# Altium PCB Holberton.PcbDoc (part 3 of 6)
Units mil, origin at the board's own origin, x right, y up, seen from the top; angles counter-clockwise.
Board outline 2963.39 x 3031.46 mil, 6 copper layers (Top Layer, GND, SL1, SL2, PWR, Bottom Layer), stack 30.516 mil thick; 455 components, 409 nets, 1505 pads, 1106 vias.
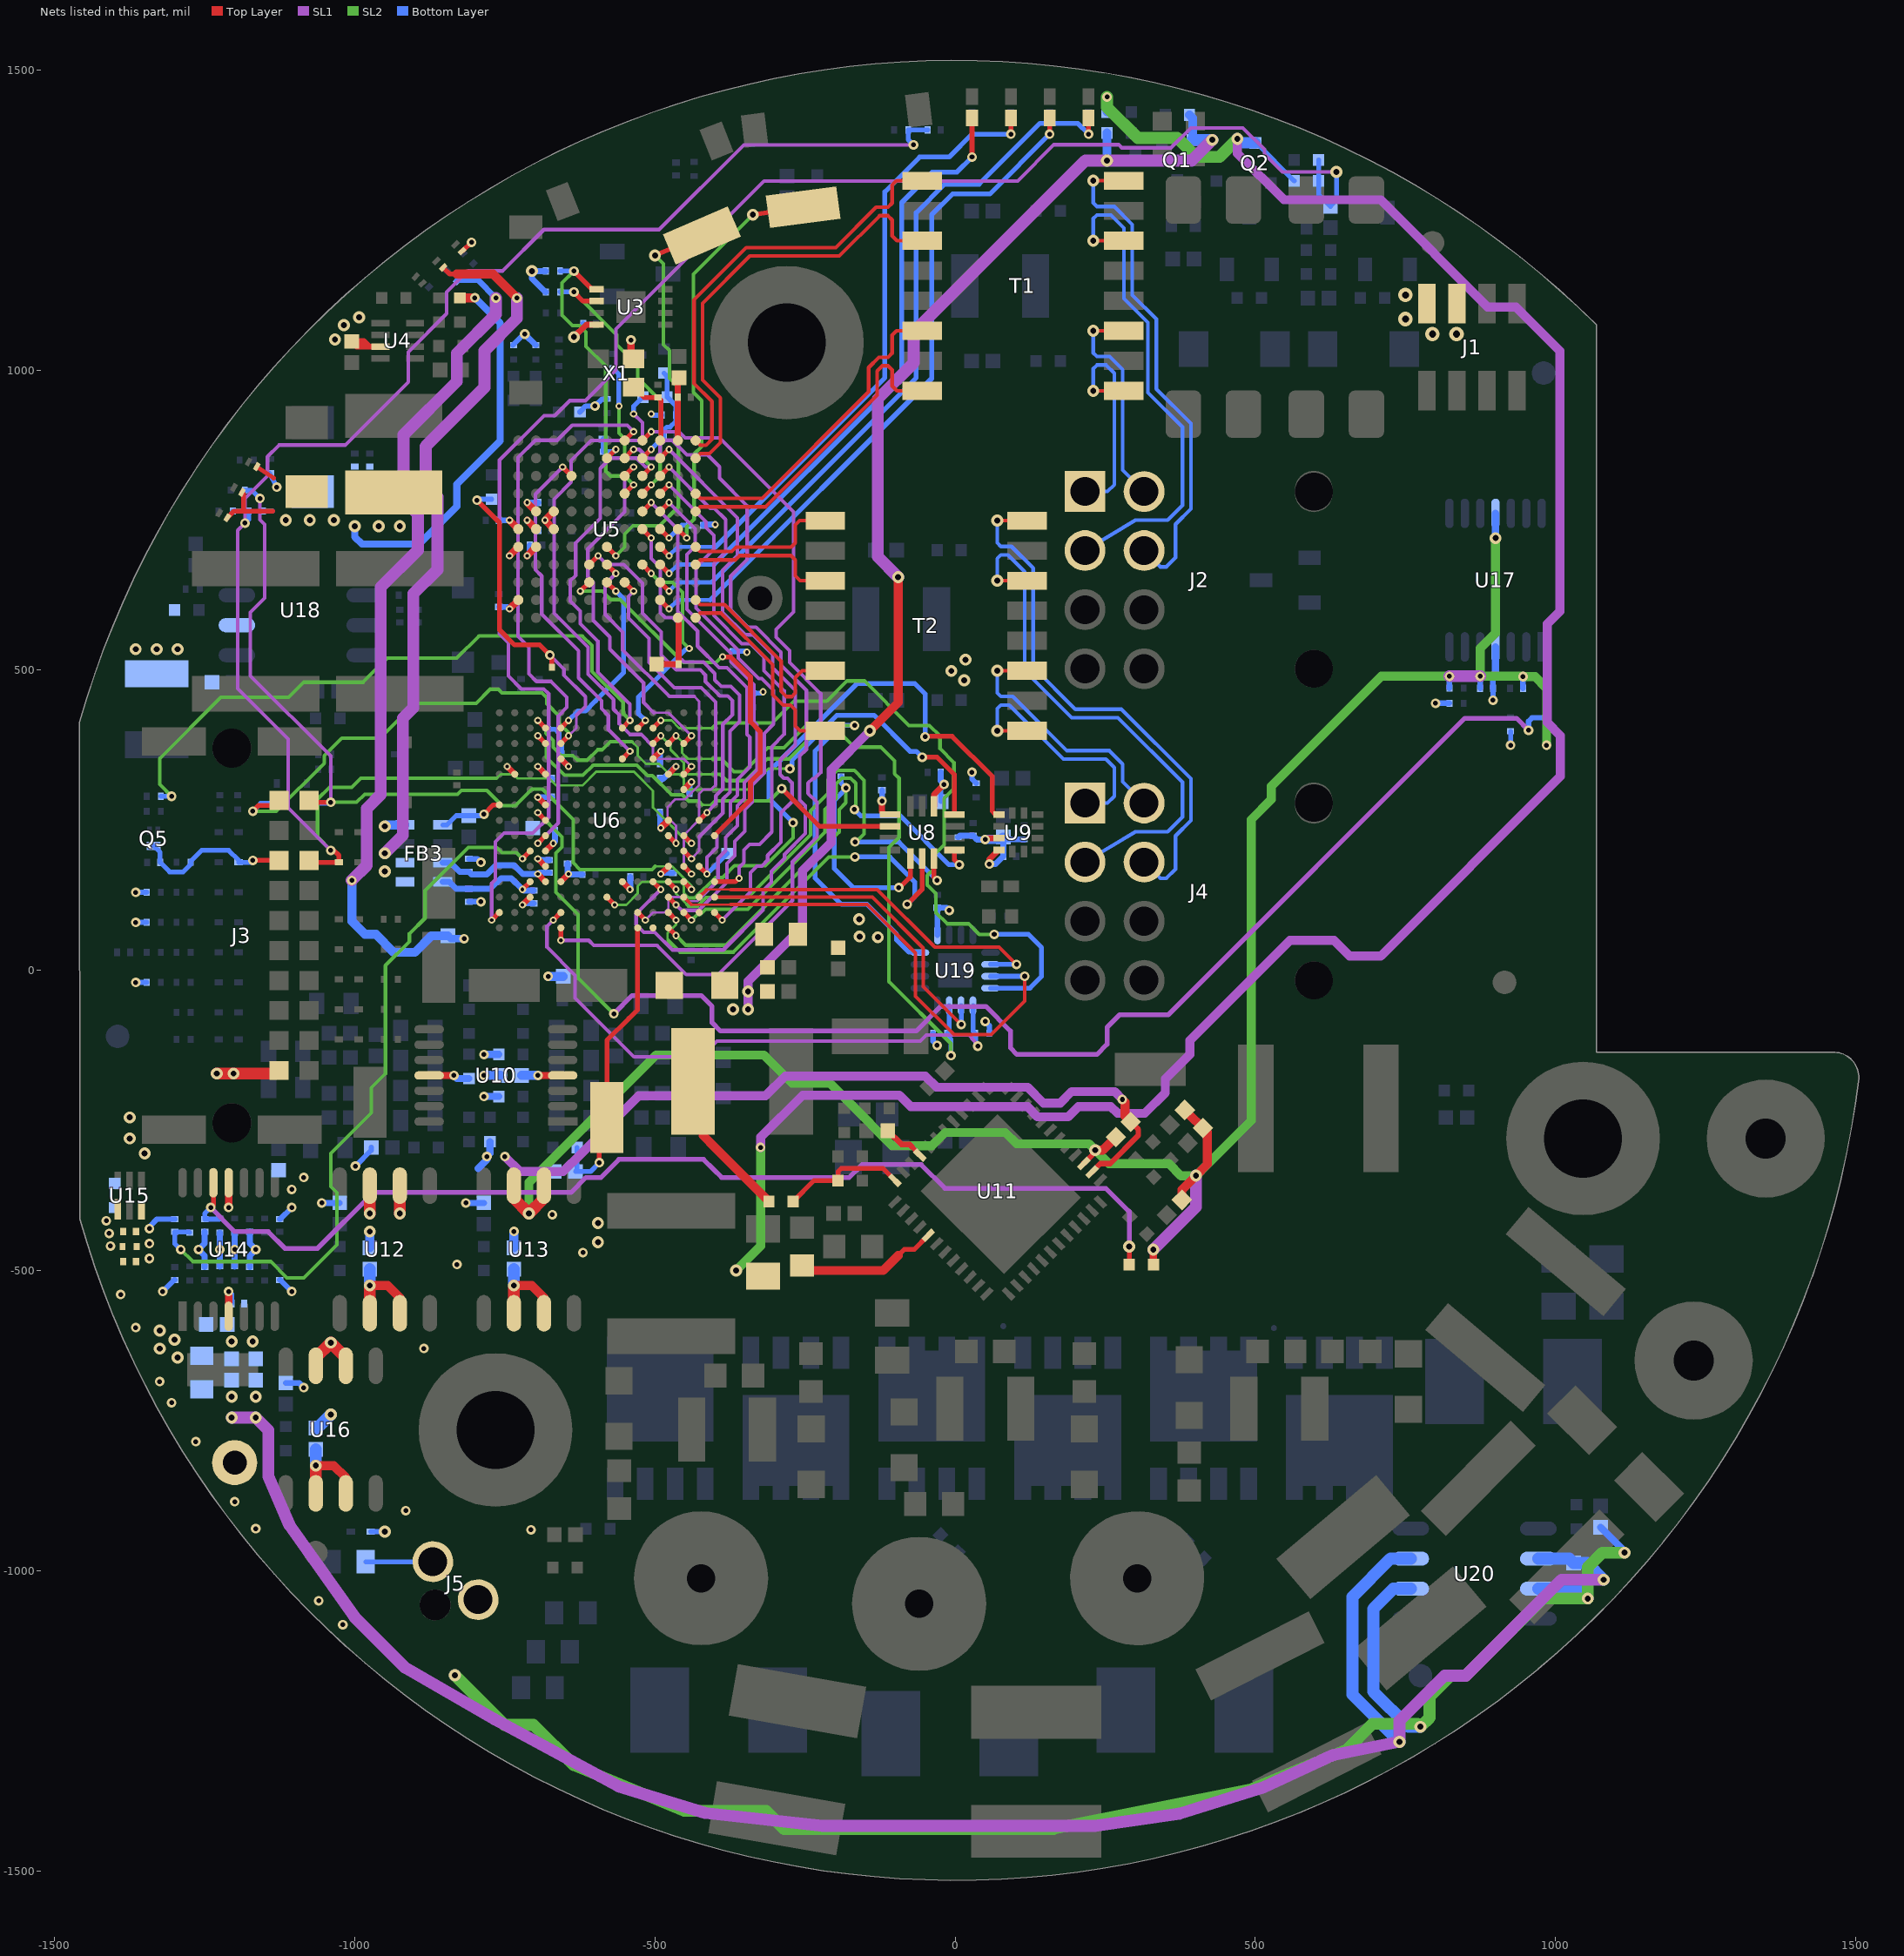
[diagram p7: the nets of this part, all layers, seen from the top]

## Via types
v1: diameter 16, hole 8, Top Layer to Bottom Layer, tented both sides, 470 vias
v2: diameter 20, hole 10, Top Layer to Bottom Layer, tented both sides, 272 vias
v3: diameter 12, hole 6, Top Layer to Bottom Layer, tented both sides, 199 vias
v4: diameter 28, hole 15, Top Layer to Bottom Layer, tented both sides, 159 vias
v5: diameter 24, hole 12, Top Layer to Bottom Layer, tented both sides, 6 vias

## Nets (pads, with @x,y where several pads share a name; then routed paths per layer and width w, separated by ;. In a path a pad name is that pad's centre, name@x,y a point inside that pad or via, vN(x,y) a via of type N, cw(c..) or ccw(c..) an arc to the next point about the centre after c; other vN are vias at no path point) (continued)
3V3: C6.1 C59.1 C63.1 C65.1 C68.1 C69.1 C71.2 C73.2 C75.2 C78.2 C81.2 C98.1 C100.1 C102.1 C104.1 C105.1 C106.1 C107.1 C108.1 C109.1 C111.1 C112.1 C113.1 C114.1 C115.1 C116.1 C119.1 C121.1 C122.1 C123.1 C126.2 FB3.5 J3.1 L1.2 LED5.A LED8.A LED9.A LED10.A R3.2 R22.1 R50.2 R53.2 R59.2 R60.2 R65.1 R66.2 R67.2 R71.2 R73.2 R80.2 R83.2 R88.2 R91.2 R96.2 R99.2 R103.2 R106.2 R111.2 R122.2 R123.2 R146.1 U3.8 U5.B11 U5.E10 U5.E11 U5.F9 U5.F10 U5.F11 U5.G9 U5.G10 U6.D5 U6.D11 U6.E2 U6.E4 U6.E12 U6.F13 U6.G4 U6.H12 U6.K4 U6.L12 U6.M5 U6.M9 U8.5 U8.8 U9.9 U9.10 U19.13 X1.4 | length 2781.5
  Top Layer w8: LED10.A@-1212.31,753.96 -1201.27,765 -1185,765 ; LED9.A@-1187.74,796.51 -1185,793.76 -1185,765 ; LED8.A@-1163.18,839.06 -1135,820 ; -1137,765 -1185,765 ; LED5.A@-821.13,1198.13 v1(-805.64,1212.63)
  Top Layer w10: v3(-746.35,339.56) U6.E2@-733.55,326.77 ; v3(-695.16,288.38) U6.G4@-682.36,275.59 ; v3(-695.16,339.56) U6.E4@-682.36,326.77 ; U6.K4@-682.36,198.82 v3(-669.57,211.61) ; U6.M5@-656.78,147.63 v3(-643.98,160.43) ; U6.D5@-656.78,352.36 v3(-643.98,339.56) ; v2(-635,1055) -614.53,1075.47 U3.8@-597.09,1075.47 ; U6.M9@-554.41,147.63 v3(-541.62,134.84) ; U6.D11@-503.23,352.36 v3(-490.44,365.15) ; v3(-490.44,160.43) U6.L12@-477.64,173.22 ; U6.E12@-477.64,326.77 v3(-464.85,339.56) ; U6.F13@-452.05,301.18 v3(-439.26,313.97) ; v1(-121.95,282.05) -121.95,264.53 -116.95,259.53 U8.8@-108.42,259.52 ; U8.5@-35.32,273.57 -35.32,292.96 v1(-18.51,309.76) ; v1(50,218) 52.16,220.16 U9.9@72.87,220.16 ; v1(57,177) 57,185 72.47,200.47 U9.10@72.87,200.47
  Top Layer w12: v3(-742.4,602.12) U5.B11@-727.63,616.89 ; v3(-742.4,690.7) U5.E11@-727.63,705.47 ; v3(-742.4,749.76) U5.F11@-727.63,735 ; v3(-712.88,690.7) U5.E10@-698.11,705.47 ; v3(-712.88,749.76) U5.F10@-698.11,735 ; v3(-712.88,779.29) U5.G10@-698.11,764.53 ; U5.F9@-668.58,735 v3(-683.35,749.76) U5.G9@-668.58,764.53 ; v1(-540,1050) -540,1023.15 X1.4@-535.47,1018.62 ; v3(-490.44,237.2) U6.H12@-477.64,249.99
  Top Layer w15: R3.2@-825.01,1120.18 v1(-800,1120.18)
  Top Layer w20: v2(-1230.08,-171.92) v2(-1202,-171.92) -1131.11,-171.92 J3.1@-1126.11,-166.92
  Bottom Layer w8: R71.2@-1153.19,765 -1137,765 ; R67.2@-1142,828.19 v1(-1130,805) ; R88.2@-679,401.81 -666.81,401.81 -660,395 -660,380 -655.63,375.63 ; R83.2@-337,461.81 -321.99,461.81 v3(-319.9,463.9) ; C123.1@-23.57,281 -23.57,303.2 -18.51,308.26 v1(-18.51,309.76)
  Bottom Layer w8.84: v1(-1365,-20) R111.2@-1346.81,-20 ; v1(-1365,80) R106.2@-1346.81,80 ; v1(-1365,130) R103.2@-1346.81,130 ; R60.2@-737.05,1041.32 -718.43,1059.93 v1(-716.93,1059.93) ; R22.1@-625,930.18 -615.18,940 v1(-600,940) -588.19,951.81 R65.1@-580,951.81 ; v3(-506.18,926.93) -504.24,925 R66.2@-488.81,925 ; R80.2@-370.01,531.81 -348.81,531.81 v3(-347,530) ; R123.2@-36.81,-105 -36.81,-118.19 v1(-30,-125) ; v1(50,-85) 56.81,-91.81 R122.2@56.81,-105
  Bottom Layer w9: v1(28,330) 28,318.81 R91.2@35,311.81
  Bottom Layer w9.24: C73.2@-760.36,749.76 v3(-742.4,749.76) ; C81.2@-760.13,605.39 -745.66,605.39 v3(-742.4,602.12) ; v3(-712.88,690.7) -708.75,694.83 C78.2@-708.75,708.42 ; -655.63,375.63 -655.63,351.22 v3(-643.98,339.56) ; C63.1@-540.63,1025 -540.63,1049.37 v1(-540,1050) ; v1(-121.95,282.05) C104.1@-121.95,300.17
  Bottom Layer w10: v1(-716.93,1059.93) -716.93,1059.76 R59.2@-698.5,1041.32 ; v3(-712.88,749.76) -696.11,733 C75.2@-693.98,733 ; v3(-712.88,779.29) C71.2@-693.98,779.29 ; v3(-695.16,288.38) -695,288.54 C108.1@-671.41,288.54 ; v3(-695.16,339.56) -674.84,319.25 C106.1@-671.41,319.25 ; R53.2@-681.81,1130 -682.51,1130 -705,1152.5 v2(-705,1165) -695,1165 R50.2@-681.81,1165 ; v3(-669.57,211.61) -666.41,214.77 C114.1@-666.41,232.25 ; C115.1@-645.42,178.12 -645.42,161.88 v3(-643.98,160.43) -643.54,160 C121.1@-620.63,160 ; v2(-635,1055) -619.72,1070.28 C59.1@-619.72,1076.96 ; v3(-541.62,134.84) -540.9,135.56 C122.1@-540.9,155.48 ; C111.1@-491.49,262.96 -491.49,238.26 v3(-490.44,237.2) ; C105.1@-491.49,319.26 -486.04,319.26 -465.74,339.56 v3(-464.85,339.56) ; C100.1@-491.49,344.85 -491.49,364.1 v3(-490.44,365.15) ; v3(-490.44,160.43) -488.5,162.37 C119.1@-470,162.37 ; C107.1@-442.37,295 -442.37,310.86 v3(-439.26,313.97) ; R73.2@-419.98,741.5 -418.98,742.5 v3(-399.87,742.5) ; U19.13@-29.53,58.81 -29.53,103.9 C126.2@-30,104.37 -14.37,104.37 v1(-10,100) ; C102.1@-24.37,330 -24.37,315.62 v1(-18.51,309.76) ; R99.2@5,221.81 7.56,224.37 C112.1@30,224.37 36.37,218 v1(50,218) ; v1(57,177) 67.37,177 C116.1@80.37,190 80,190.37 C109.1@80,222.29 84.1,218.19 R96.2@115,218.19
  Bottom Layer w12: v2(-1000,740) -1000,722 -988,710 -893,710 -830,773 -830,810 -758,882 -758,1078.18 v1(-800,1120.18)
  Bottom Layer w14.75: v2(-950,240) -947.76,242.24 FB3.5@-916.49,242.24
  Bottom Layer w15: v1(50,218) 75.71,218 C109.1@80,222.29
  other v2: -1350,-305 -1375,-280 -1375,-245 -960,740 -925,740 -1115,750 -1075,750 -1035,750
3V3A: C27.1 C29.1 C91.1 C167.1 C168.1 FB3.7 FB3.8 FB4.1 LED6.A R20.2 R85.2 R87.2 R146.2 R148.2 R149.2 R154.2 R156.2 U14.4 U15.1 U17.4 | length 1488.9
  Top Layer w8: LED6.A@-852.78,1170.78 -842,1160 -830,1160
  Top Layer w12.78: U14.4@-1210,-576.22 v1(-1210,-535)
  Top Layer w15: -830,1160 -770,1160 v1(-730,1120)
  SL1 w20: v2(-950,195) -920,225 -920,420 -902.5,437.5 -902.5,627.5 -862.49,667.51 -862.49,788.49 -882,808 -882,873 -783.9,971.1 -783.9,1032.1 -730,1086 v1(-730,1120)
  Bottom Layer w8: v1(925,375) R87.2@925,398.19
  Bottom Layer w8.84: v1(895.63,450) C91.1@895.63,470
  Bottom Layer w9.24: v1(-1210,-535) -1205.63,-539.37 C167.1@-1205.63,-555 ; v1(800,445) R85.2@823.19,445 ; C91.1@895.63,470 895.63,490.63 900,495
  Bottom Layer w10: R156.2@-1225,-493.19 v1(-1225,-465) R148.2@-1225,-436.81 ; R154.2@-1200,-493.19 v1(-1200,-465) R149.2@-1200,-436.81
  Bottom Layer w12.78: 900,495 U17.4@900,538.78
  other v1: -1407,-459 -1409,-438 -1413.7,-417.1
  other v2: -1295,-645 -1325,-630 -1300,-615 -1325,-600 -595,-453 -595,-421 -950,165
3V3A_FILT: C117.1 C118.1 FB3.3 U6.M4 | length 216.7
  Top Layer w10: v3(-695.16,160.43) U6.M4@-682.36,147.64
  Bottom Layer w10: FB3.3@-853.5,179.25 -840.45,179.25 -825.57,164.37 C117.1@-810,164.37 -805.63,160 -780,160 -765,175 -734.7,175 -720.14,160.43 v3(-695.16,160.43) -692.83,162.76 C118.1@-676.13,162.77
3V3A_GB: C20.1 C140.1 C159.1 C160.1 C169.1 C170.1 C172.1 C174.1 FB4.2 U10.4 U11.26 U12.6 U12.7 U13.6 U13.7 U16.6 U16.7 U20.3 U20.6 | length 5125.6
  Top Layer w9: U11.26@228.01,-335.68 241.69,-322 258,-322 305,-275 305,-264.95 C20.1@292.52,-252.48
  Top Layer w12: v1(-695,-175) U10.4@-653.78,-175
  Top Layer w15: v2(-1065,-825) -1035,-825 -1015,-845 U16.7@-1015,-871.3 ; v2(-975,-525) -945,-525 -925,-545 U12.7@-925,-571.3 ; v2(-735,-525) -705,-525 -685,-545 U13.7@-685,-571.3 ; v1(278.5,-215) 283.02,-219.52 283.02,-242.98 C20.1@292.52,-252.48
  Top Layer w20: U16.6@-1065,-871.3 v2(-1065,-825) ; U12.6@-975,-571.3 v2(-975,-525) ; U13.6@-735,-571.3 v2(-735,-525)
  SL1 w15: v1(-750,-310) -725,-335 -653,-335 -623,-305 -527,-209 -344,-209 -316,-209 -283,-176 -101,-176 -49.58,-176 -30.93,-194.65 120.27,-194.65 146.94,-221.33 174.67,-221.33 194.09,-201.91 265.41,-201.91 v1(278.5,-215)
  SL1 w20: v2(-1205,-745) v2(-1165,-745) -1143.9,-766.1 -1143.9,-842.95 -1108.72,-924.22 -999.86,-1078 -916.8,-1161.07 -767.12,-1247.23 -560.72,-1359.3 -415.84,-1403.62 -221.04,-1425 232.93,-1425 373.27,-1404.7 513.39,-1360.77 628.66,-1307.22 v2(740,-1285) 740,-1250 815,-1175 850,-1175 1010,-1015 v2(1080,-1015)
  Bottom Layer w15: C140.1@-722.29,-175 v1(-695,-175)
  Bottom Layer w20: v2(-1065,-825) C172.1@-1065,-797.71 ; v2(-975,-525) C160.1@-975,-497.71 ; v2(-735,-525) C159.1@-735,-497.71 ; v2(740,-1285) 661.51,-1206.51 661.51,-1043.49 725,-980 U20.3@758.7,-980 ; U20.6@971.3,-980 1022.7,-980 C174.1@1029.99,-987.29 1052.29,-987.29 v2(1080,-1015)
  other v2: -1205,-710 -1165,-710
3V3A_REF: C124.1 C125.1 FB3.4 U6.M3 | length 190.8
  Top Layer w8: v3(-720.75,134.84) U6.M3@-707.96,147.63
  Bottom Layer w10: FB3.4@-853.5,147.75 -842.95,147.75 -830.83,135.63 C124.1@-810,135.63 -774.37,135.63 -756.5,153.5 -739.4,153.5 v3(-720.75,134.84) -718.75,132.84 C125.1@-701.73,132.84
3V3SMPS: C110.1 FB3.1 U6.G1 | length 108.2
  Top Layer w8: v1(-785,260) -769.41,275.59 U6.G1@-759.14,275.59
  Bottom Layer w8: FB3.1@-853.5,242.24 -846.56,242.24 -831.09,257.71 C110.1@-810,257.71 -787.29,257.71 v1(-785,260)
24V0: C1.1 C14.1 C85.1 C86.1 FB1.1 J1.6 J1.8 R79.2 U4.3 U18.2 | length 83.9
  Top Layer w10: U4.3@-957.28,1039 -976,1038.99 ; -976,1038.99 -984.72,1047.71 C1.1@-1005,1047.71 -996.28,1038.99 -976,1038.99
  other v2: -128.8,55.2 -159.3,56.4 -160,85 15,483.4 -6.4,498.8 17.2,517.5 -1365,535 -1330,535 -1295,535 -1033,1051 -1018,1075 -993,1088
  other v5: 795,1060 835,1060 750,1085 750,1125
24V0_GB: C15.1 C16.1 FB1.2 Q1.S R8.2 R34.2 R36.2 | length 2023.5
  Top Layer w15: v2(-142.13,399.1) -95,446.23 v2(-95,655)
  SL1 w15: v2(-345,-65) v2(-345,-35) -345,-18 -254.2,72.8 -254.2,165.8 -206.7,213.3 -206.7,334.53 v2(-142.13,399.1)
  SL1 w20: v2(-95,655) -129,689 -129,952 -69,1012 -69,1063 216.82,1348.82 v2(252.82,1348.82) 393.82,1348.82 v2(428.46,1383.46)
  Bottom Layer w15: v2(252.82,1348.82) R36.2@252.82,1395 ; R34.2@390.18,1425 395.59,1419.59 Q1.S@395.59,1383.46
  Bottom Layer w20: Q1.S@395.59,1383.46 v2(428.46,1383.46)
  other v2: -370,-65
24V0_RIPPLE: L3.2 R8.1 R18.2 | length 257.4
  Top Layer w15: L3.2@-436.78,-180 -420,-196.78 -420,-275.18 -400.09,-295.09 -373.09,-322.09 R18.2@-310.18,-385
24V0_SAFE: C25.1 C26.1 Q2.D R33.2 R42.2 U11.5 | length 4000.2
  Top Layer w8: -94.99,-474.99 -84.99,-464.99 -68.34,-464.99 U11.5@-44.82,-441.47
  Top Layer w15: C26.1@-254.99,-491.48 -246.48,-499.99 -119.99,-499.99 -94.99,-474.99
  SL1 w15: v1(-324,-295) -323.81,-294.81 -323.81,-277.81 -254,-208 -93,-208 -74,-227 120.28,-227 137.38,-244.09 187.66,-244.09 204.98,-226.77 259.24,-226.77 270.56,-238.09 315.88,-238.09 350,-203.97 350,-180.77 390.8,-139.97 390.8,-116.96 557.76,50 631,50 657,24 708.9,24 1008,323.1 1008,391 986,413 986,577 1007.36,598.36 1007.36,1031.64 934,1105 887,1105 708.3,1283.7 547.3,1283.7 470,1361 v2(470,1385)
  SL2 w15: v2(-365,-500) -324,-459 v1(-324,-295)
  SL2 w20: v1(252.82,1455) 252.82,1437.68 304,1386.5 370,1386.5 401.6,1354.9 439.9,1354.9 v2(470,1385)
  Bottom Layer w8: Q2.D@500,1378.47 501.35,1378.47 R42.2@564.82,1315
  Bottom Layer w15: R33.2@252.82,1430 v1(252.82,1455)
  Bottom Layer w18.68: v2(470,1385) 476.53,1378.47 Q2.D@500,1378.47
24V0_SAFE_ADC: C54.1 R39.2 R42.1 U6.P1 | length 2757
  Top Layer w8: v3(-771.94,83.65) U6.P1@-759.14,96.45
  SL1 w6: v3(-771.94,83.65) -771.94,145.06 -766,151 -766,214 -751.5,228.5 -703.5,228.5 -677,255 -677,460.5 -685.2,468.7 -722.7,468.7 -744.2,490.2 -744.2,545.8 -759,560.6 -759,849.85 -684.73,924.12 -666.88,924.12 -642,949 -616,949 -565,1000 -565,1068.24 -318.24,1315 104,1315 164.4,1375.4 272.6,1375.4 277.7,1370.3 359.3,1370.3 392.5,1403.5 479.1,1403.5 515,1367.6 515,1360 545,1330 v2(635,1330)
  Bottom Layer w8: R39.2@605.18,1350 R42.1@605.17,1315 605.17,1292.54 C54.1@625,1272.71 635,1282.71 v2(635,1330)
100MHz: C4.1 U5.L3 X1.3 | length 121.9
  Top Layer w8: X1.3@-535.47,971.38 -518.47,954.37 C4.1@-495.01,954.37 -490,949.36 -490,884.05 U5.L3@-491.41,882.64
AGM_CLK: U6.P12 U8.13 | length 689.3
  Top Layer w8: U6.P12@-477.64,96.45 v3(-464.85,83.65) ; v1(-80,110) -55,135 U8.13@-55,186.42
  SL2 w4: -478,50 -479,51 -479,62 -464.85,76.15 v3(-464.85,83.65)
  SL2 w6: -478,50 -458.52,30.52 -369.22,30.52 -210.74,189 v1(-167,189)
  Bottom Layer w8: v1(-167,189) -109,189 -67,147 -67,123 v1(-80,110)
AGM_CS_AG: R89.2 U6.R12 U8.12 | length 795.2
  Top Layer w8: U6.R12@-477.64,70.86 v3(-464.85,58.06) ; v1(-94,138) -92,138 -74.69,155.31 U8.12@-74.69,186.42
  SL2 w6: v3(-464.85,58.06) -448.78,42 -381.8,42 -193.18,230.62 -193.18,267.96 -182,279.14 v1(-182,304)
  Bottom Layer w8: R89.2@-190.01,323.19 -190.01,312 v1(-182,304) -182,302.31 -201.16,283.15 -201.16,169.59 -169.57,138 v1(-94,138)
AGM_DATA_EN_AG: U6.P14
AGM_DRDY_M: U6.R11
AGM_INT1_AG: U6.B4 U8.4 | length 976.8
  Top Layer w8: v3(-695.16,416.33) U6.B4@-682.36,403.54 ; v1(-55,355) -30,355 -1,326 -1,260.11 U8.4@-1.58,259.52
  SL2 w4: -538.5,381 -528.82,371.32 -528.82,357.82 -515,344 -493.2,344 -475.98,326.77 -459.56,326.77 -452.05,319.26 -452.05,307.64 -445.59,301.18 -345.82,301.18 -311,336 v1(-275.4,336)
  SL2 w6: v3(-695.16,416.33) -681.74,402.92 -681.74,395.03 -669.58,382.87 -669.58,371.38 -656.21,358.01 -636.83,358.01 -629.02,350.2 -612.91,350.2 -595.61,367.5 -588.2,367.5 -574.7,381 -538.5,381
  Bottom Layer w8: v1(-275.4,336) -275.4,338.16 -271.56,342.01 -271.56,350.44 -196.88,425.12 -135.37,425.12 -75.26,365 -65,365 v1(-55,355)
AGM_INT2_AG: U6.C4 U8.9 | length 716.6
  Top Layer w8: v3(-695.16,390.74) U6.C4@-682.36,377.95 ; v1(-288.83,303) -225.67,239.84 U8.9@-108.42,239.84
  SL2 w4: -421.22,275.58 -406.39,275.58
  SL2 w6: v3(-695.16,390.74) -680.8,376.39 -680.8,355.12 -650.68,325 -620,325 -603,342 -530,342 -512.5,324.5 -504.5,324.5 -472.5,292.5 -454.5,292.5 -444,282 -427.63,282 -421.22,275.58 ; -406.39,275.58 -399.59,282.38 -309.45,282.38 v1(-288.83,303)
AGM_INT_M: U6.N8 U9.7 | length 1135.4
  Top Layer w8: U6.N8@-580.01,122.04 v3(-567.21,109.24) ; v1(-50,389) -49,390 -5,390 61.4,323.6 61.4,265.6 67.47,259.53 U9.7@72.87,259.53
  SL2 w4: v3(-567.21,109.24) -547.86,109.24 -528.82,128.28 -528.82,140.18 -521.36,147.64 -458.73,147.64 -452.05,140.96 -452.05,129.46 -443.39,120.8
  SL2 w6: -443.39,120.8 -433.43,120.8 -399.23,155 -386.99,155 -367.54,174.45 -316.55,174.45 -270,221 v1(-270,246)
  Bottom Layer w8: v1(-270,246) -310.43,286.43 -310.43,330.57 -163,478 -67.53,478 -50,460.47 v1(-50,389)
AGM_MISO: U6.P13 U8.1 | length 714.7
  Top Layer w8: U6.P13@-452.05,96.45 v3(-439.26,83.65) ; U8.1@-1.58,200.47 -1.58,184.28 v1(6.7,176)
  SL2 w6: v3(-439.26,83.65) -429.61,93.3 -424.19,93.3 -415.58,101.91 -374,101.91 -345.09,101.91 -216.74,230.26 -216.74,268.15 -198.2,286.69 -198.2,310.8 -188.9,320.1 -174.1,320.1 -165.7,311.7 -165.7,270.3 v1(-168,268)
  Bottom Layer w8: v1(-168,268) -157.1,257.1 -91.18,257.1 -10.08,176 v1(6.7,176)
AGM_MOSI: U6.M12 U8.14 | length 796
  Top Layer w8: U6.M12@-477.64,147.63 v3(-464.85,134.84) ; U8.14@-35.32,186.42 -35.32,155.32 v1(-30,150)
  SL2 w4: v3(-464.85,134.84) -464.85,127.69 -446.77,109.61
  SL2 w6: -446.77,109.61 -444.49,107.33 -428.76,107.33 -414.74,121.35 -374,121.35 -345.65,121.35 -240.95,226.05 -240.95,265.95 -212,294.9 -212,318 -197,333 -168,333 -151.63,316.63 -151.63,227.5 -165.2,213.92 v1(-166.88,213.92)
  Bottom Layer w8: v1(-166.88,213.92) -166.6,213.65 -93.65,213.65 v1(-30,150)
AGND: C19.2 C20.2 C21.2 C23.2 C27.2 C29.2 C90.2 C91.2 C96.2 C117.2 C118.2 C124.2 C125.2 C127.2 C132.2 C140.2 C151.2 C152.2 C153.2 C154.2 C155.2 C156.2 C157.2 C158.2 C159.2 C160.2 C163.2 C164.2 C165.2 C166.2 C167.2 C168.2 C169.2 C170.2 C171.2 C172.2 C173.2 C174.2 D24.A J5.2 NT1.2 R20.1 R21.2 R49.2 R82.1 R127.1 R128.1 R136.1 R140.1 TP12.1 U6.L4 U6.N3 U10.11 U11.27 U12.2 U12.3 U13.2 U13.3 U14.11 U15.3 U16.2 U16.3 U17.11 U20.2 U20.7 | length 8863.5
  Top Layer w9: U11.27@214.09,-321.76 233.42,-302.42 v2(233.42,-299.42)
  Top Layer w10: v3(-720.75,109.24) U6.N3@-707.96,122.04 ; v3(-695.16,186.02) U6.L4@-682.36,173.23
  Top Layer w12: U10.11@-876.22,-175 v1(-835,-175) ; v2(330,-465) 330.18,-465.18 R21.2@330.18,-490
  Top Layer w12.78: v1(-1210,-395) U14.11@-1210,-353.78
  Top Layer w15: v2(233.42,-299.42) 245.58,-299.42 C20.2@267.47,-277.53 ; C23.2@377.53,-382.47 377.53,-365.47 v2(401,-342) 420,-323 420,-269.94 C19.2@382.53,-232.47
  Top Layer w20: U16.3@-1065,-658.7 -1065,-645 v2(-1040,-620) -1015,-645 U16.2@-1015,-658.7 ; v2(-975,-405) U12.3@-975,-358.7 ; v2(-925,-405) U12.2@-925,-358.7 ; U13.3@-735,-358.7 -735,-380 v2(-710,-405) -685,-380 U13.2@-685,-358.7
  SL1 w20: v1(-1005,150) -980,175 -980,269.7 -957,292.7 -957,638 -895,700 -895,760 -919,784 -919,892 -830,981 -830,1028 -765,1093 v1(-765,1120) ; v2(330,-465) 401,-394 v2(401,-342) ; v1(823.19,490) v1(874.37,490)
  SL2 w15: v2(-710,-405) -710,-353 -642.5,-285.5 -498,-141 -344,-141 -319,-141 -272,-188 -209,-188 -177,-220 -105,-292 -38.7,-292 -16.8,-270.1 83.7,-270.1 102.5,-288.9 222.9,-288.9 v2(233.42,-299.42) 256,-322 356,-322 376,-342 v2(401,-342) 493,-250 493,251.2 526.6,284.8 526.6,306.6 710,490 v1(823.19,490) ; v1(874.37,490) 874.37,536.37 900,562 v2(900,720) ; v1@880.78,490 945,490 v1(945.63,489.37) 965.63,489.37 985,470 v1(985,375)
  SL2 w20: v2(-833.5,-1174) -750.8,-1256.7 -702.4,-1256.7 -635.28,-1323.82 -451.36,-1400 -315,-1400 -285,-1430 163.91,-1430 491.7,-1364.8 651.32,-1298.68 695,-1255 770,-1255 v2(775,-1260) 790,-1245 790,-1210 825,-1175 850,-1175 978.64,-1046.36 v2(1053.64,-1046.36) 1053.64,-994.36 1078,-970 v2(1115,-970)
  Bottom Layer w8.84: v1(-998.95,-326.05) -972.72,-299.82 C151.2@-972.72,-295 ; D24.A@-973.46,-935 v2(-950,-935) ; v1(985,375) C96.2@985,399.37
  Bottom Layer w9.24: v1(-1342,-430) -1342,-427 -1329.37,-414.37 C158.2@-1300,-414.37 ; v1(-1320,-535) -1300.63,-515.63 C166.2@-1300,-515.63 ; C163.2@-1125,-515.63 -1124.37,-515.63 v1(-1105,-535) ; C155.2@-1125,-414.37 -1124.37,-414.37 v1(-1105,-395) ; C124.2@-810,114.37 v1(-790,114.37) ; C117.2@-810,185.63 -795.63,185.63 v1(-790,180) ; v3(-720.75,109.24) -718.41,111.58 C125.2@-701.73,111.59 ; R82.1@823.19,470 v1(823.19,490) ; C91.2@874.37,470 v1(874.37,490) ; C90.2@945.63,470 v1(945.63,489.37)